# KiCad board VersaSens_HeEx.kicad_pcb (continued)
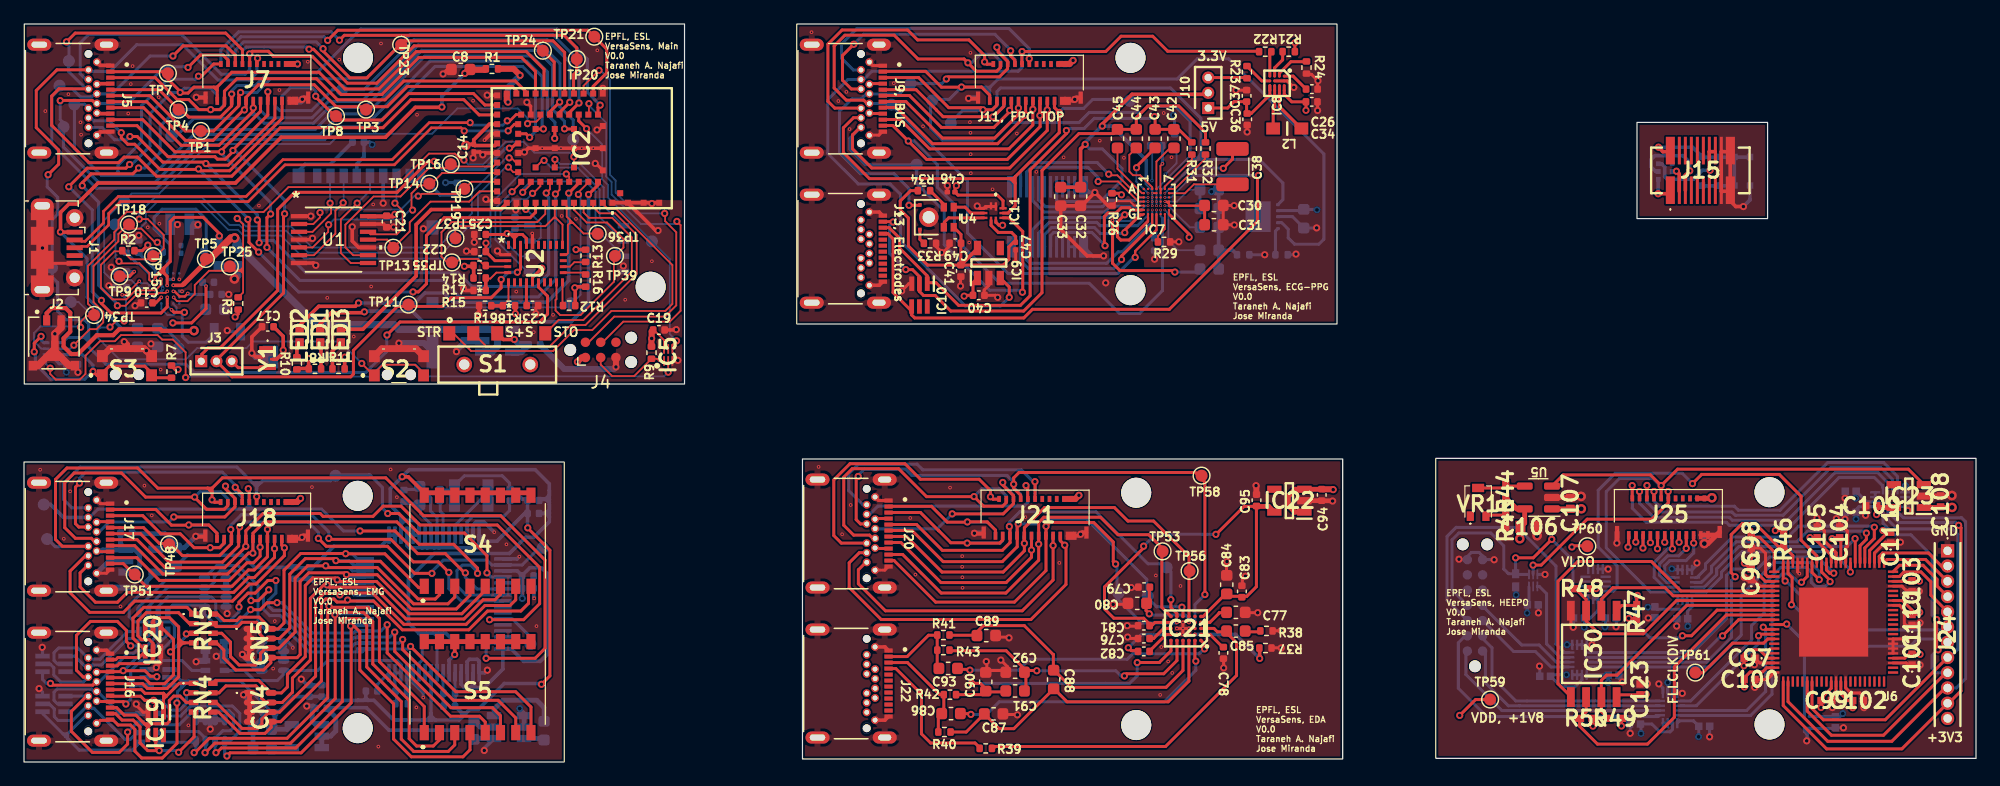
[diagram p0: board, top side]
## Footprints (pads in the part's own frame, mm; a bottom-side part is the same pattern mirrored in y, then rotated) (continued)
TSSOP14_4P50X5P10_ONS
  rect 1.353x0.355 smd: 1(-2.874,1.95) 2(-2.874,1.3) 3(-2.874,0.65) 4(-2.874,0) 5(-2.874,-0.65) 6(-2.874,-1.3) 7(-2.874,-1.95) 8(2.874,-1.95) 9(2.874,-1.3) 10(2.874,-0.65) 11(2.874,0) 12(2.874,0.65) 13(2.874,1.3) 14(2.874,1.95)
USB_Micro-B_Molex-105017-0001
  rect 0.4x1.35 smd: 1(-1.3,1.462) 2(-0.65,1.462) 3(0,1.462) 4(0.65,1.462) 5(1.3,1.462)
  oval 1.2x1.9 hole 0.6x1.3: 6(-3.5,-1.238) 6(3.5,-1.238)
  rect 1.2x1.9 smd: 6(-2.9,-1.238) 6(2.9,-1.238)
  round 1.45 hole 0.85: 6(-2.5,1.462) 6(2.5,1.462)
  rect 1.5x1.9 smd: 6(-1,-1.238) 6(1,-1.238)
VEMD8080
  rect 0.54x0.55 smd: 1(-2,-1.19) 2(-0.69,-1.19) 3(0.69,-1.19) 4(2,-1.19) 5(2,1.19) 6(0.69,1.19) 7(-0.69,1.19) 8(-2,1.19)

## Nets
+1V8: C1.1 IC1.E1 TP9.1
+2V5: C56.1 C57.1 C70.1 C71.1 C72.1 C73.1 IC13.5 IC15.2 IC17.17 IC17.18 IC17.19 IC17.21 IC17.22 IC17.54 IC17.56 IC17.59 J16.A4 J16.B9 S4.9 S4.10 S4.11 S4.12 S4.13 S4.14 S4.15 S4.16 S5.9 S5.10 S5.11 S5.12 S5.13 S5.14 S5.15 S5.16
+3.3V: C34.1 C40.2 C46.1 C48.1 IC7.F7 IC7.G7 IC8.A3 IC8.A4 IC9.1 IC11.7 IC11.10 J9, BUS.A4 J9, BUS.A9 J9, BUS.B4 J9, BUS.B9 J10.3 J11, FPC TOP.20 J11, FPC TOP.22 J14, FPC BUTTOM.2 J14, FPC BUTTOM.4 R21.1 R23.2 R30.1 U3.2
+3.3VA: C79.1 C80.1 C94.2 IC21.D3 IC22.1 IC22.3 J20.A4 J20.A9 J20.B4 J20.B9 J21.20 J21.22 J23.2 J23.4
+3.3VP: C58.2 C68.1 C69.1 IC13.1 IC13.3 IC14.4 IC14.5 IC17.35 IC17.48 IC17.50 IC17.52 J17.A4 J17.A9 J17.B4 J17.B9 J18.20 J18.22 J19.2 J19.4
+3V3: C10.1 C14.2 C16.2 C17.1 C18.1 C19.1 C20.1 C21.1 C22.1 C24.1 C25.1 IC1.B3 IC2.31 IC2.35 IC3.5 IC4.8 IC5.6 IC6.8 J4.1 J5.A4 J5.A9 J5.B4 J5.B9 J6.4 J7.20 J7.22 J8.2 J8.4 R2.2 R3.2 R6.2 R7.2 R8.2 R9.2 R10.2 R11.2 R12.1 R13.2 R14.2 R16.2 R17.1 R18.1 R20.2 S1.3 U1.14 U2.3 U2.10 U2.26 U2.28 Y1.4
+5V: C36.1 C37.1 IC8.D3 IC8.D4 J10.1
-2V5: C52.1 C53.1 C59.1 C60.1 C62.1 C63.1 C64.1 C65.1 C66.1 C67.1 C70.2 C71.2 C74.1 C75.1 IC12.5 IC15.5 IC17.20 IC17.23 IC17.25 IC17.32 IC17.53 IC17.57 IC17.58 J16.A12 J16.B1
-3V3: C54.1 C55.2 IC12.2 IC12.3 IC14.2
/HEEPO/+3V3: C107.2 C108.2 C113.2 C115.2 C117.2 C119.2 C121.2 C124.1 IC23.1 IC25.5 IC25.14 IC25.15 IC25.16 IC26.5 IC26.6 IC26.14 IC26.15 IC26.16 IC27.14 IC27.15 IC28.6 IC28.14 IC28.15 IC28.16 IC29.5 IC29.14 IC29.15 IC29.16 IC31.6 J24.12 J25.20 J25.22 J26.2 J26.4 R51.2 U5.1
GND: C1.2 C2.2 C3.2 C4.2 C5.2 C6.2 C7.1 C8.1 C9.2 C10.2 C12.2 C13.2 C14.1 C15.1 C16.1 C17.2 C18.2 C19.2 C20.2 C21.2 C22.2 C23.1 C24.2 C25.2 IC1.C3 IC1.C6 IC1.D3 IC1.F6 IC2.1 IC2.19 IC2.21 IC2.29 IC2.30 IC2.33 IC2.39 IC2.44 IC2.59 IC2.66 IC2.67 IC2.68 IC2.69 IC2.70 IC2.71 IC2.73 IC2.74 IC2.75 IC3.2 IC4.4 IC5.3 IC6.4 J1.5 J1.6 J2.2 J2.S1 J2.S2 J4.5 J5.A1 J5.A12 J5.B1 J5.B12 J5.S1 J5.S2 J5.S3 J5.S4 J6.6 J6.MP1 J6.MP3 J6.MP5 J6.MP6 J7.21 J7.23 J7.MP1 J7.MP2 J8.1 J8.3 J8.MP1 J8.MP2 R4.2 R5.2 R15.1 R19.1 RT1.2 S2.2 S2.3 S2.4 S3.2 S3.3 S3.4 U1.1 U1.4 U1.7 U1.10 U1.13 U2.2 U2.25 Y1.2
GND1: C26.2 C30.2 C31.2 C34.2 C36.2 C37.2 C40.1 C41.2 C46.2 C47.1 C48.2 C49.2 IC7.D3 IC8.A2 IC8.B2 IC8.C2 IC9.2 IC10.3 IC11.1 IC11.2 IC11.3 J9, BUS.A1 J9, BUS.A12 J9, BUS.B1 J9, BUS.B12 J9, BUS.S1 J9, BUS.S2 J9, BUS.S3 J9, BUS.S4 J11, FPC TOP.21 J11, FPC TOP.23 J11, FPC TOP.MP1 J11, FPC TOP.MP2 J13, Electrodes.A1 J13, Electrodes.A12 J13, Electrodes.B1 J13, Electrodes.B12 J13, Electrodes.S1 J13, Electrodes.S2 J13, Electrodes.S3 J13, Electrodes.S4 J14, FPC BUTTOM.1 J14, FPC BUTTOM.3 J14, FPC BUTTOM.MP1 J14, FPC BUTTOM.MP2 R24.2 R25.2 R26.1 R28.2 R29.2 R33.1 R35.2 U3.3 U3.6 U4.3
GND2: C50.2 C52.2 C53.2 C54.2 C55.1 C56.2 C57.2 C58.1 C68.2 C69.2 C72.2 C73.2 C74.2 C75.2 CN1.1 CN1.2 CN1.3 CN1.4 CN1.5 CN1.6 CN1.7 CN2.1 CN2.2 CN2.3 CN2.4 CN3.1 CN3.2 CN3.3 CN3.4 CN4.1 CN4.2 CN4.3 CN4.4 CN5.1 CN5.2 CN5.3 CN5.4 IC12.1 IC13.2 IC14.1 IC15.3 IC16.3 IC17.31 IC17.33 IC17.49 IC17.51 IC17.60 IC18.3 IC19.3 IC20.3 J16.A1 J16.B12 J16.S1 J16.S2 J16.S3 J16.S4 J17.A1 J17.A12 J17.B1 J17.B12 J17.S1 J17.S2 J17.S3 J17.S4 J18.21 J18.23 J18.MP1 J18.MP2 J19.1 J19.3 J19.MP1 J19.MP2 RN1.2 RN1.3 RN1.4 RN1.5 RN1.6 RN1.7
GND3: C76.2 C77.2 C78.2 C79.2 C80.2 C81.2 C83.2 C84.2 C87.2 C89.2 C90.2 C92.2 C94.1 C95.2 IC21.B3 IC21.B4 IC21.C3 IC21.C4 IC21.C5 IC21.D4 IC22.2 J20.A1 J20.A12 J20.B1 J20.B12 J20.S1 J20.S2 J20.S3 J20.S4 J21.21 J21.23 J21.MP1 J21.MP2 J22.A1 J22.A12 J22.B1 J22.B12 J22.S1 J22.S2 J22.S3 J22.S4 J23.1 J23.3 J23.MP1 J23.MP2 R37.1 R38.2
GNDA: C27.2 C28.2 C29.2 C35.1 C39.2 IC7.C3 R25.1
GNDPWR: C32.2 C33.2 IC7.E1 J12.1 J12.2 J12.3 J12.4 J12.MP1 J12.MP2 J12.MP3 J12.MP4 R26.2
GNDS: C96.1 C97.1 C98.1 C99.1 C100.1 C101.1 C102.1 C103.1 C104.1 C105.1 C106.1 C107.1 C108.1 C109.1 C110.1 C111.1 C112.2 C113.1 C114.2 C115.1 C116.2 C117.1 C118.2 C119.1 C120.2 C121.1 C122.2 C123.1 C124.2 IC23.2 IC24.1 IC24.4 IC25.6 IC25.7 IC25.8 IC26.7 IC26.8 IC27.7 IC27.8 IC28.5 IC28.7 IC28.8 IC29.6 IC29.7 IC29.8 IC30.4 IC31.3 J24.1 J25.21 J25.23 J25.MP1 J25.MP2 J26.1 J26.3 J26.MP1 J26.MP2 J27.7 J27.8 R45.1 U5.2 U6.2 U6.4 U6.20 U6.22 U6.34 U6.36 U6.47 U6.49 U6.50 U6.51 U6.52 U6.59 U6.63 U6.69 U6.75 U6.77 U6.84 U6.85 U6.89
VCC: C41.1 C47.2 C49.1 IC9.5 IC11.6 R34.2 U4.7
VCCQ: C81.1 C83.1 C84.1 C95.1 IC21.D6 IC21.E1 IC22.5
VDD: C96.2 C97.2 C99.2 C101.2 C103.2 C105.2 C109.2 C112.1 C114.1 C116.1 C118.1 C120.1 C122.1 C123.2 IC23.5 IC24.3 IC25.13 IC26.13 IC27.13 IC28.13 IC29.13 IC30.8 R46.1 R47.2 R48.2 R49.2 R50.2 TP59.1 U6.3 U6.19 U6.33 U6.48 U6.64 U6.78
/ECG_PPG/ACG_LR: R34.1 U4.2
/ECG_PPG/ACG_THSEL: R33.2 U4.5
/ECG_PPG/ACG_Wake: J9, BUS.B7 J11, FPC TOP.6 J14, FPC BUTTOM.18 TP45.1 U4.4
/ECG_PPG/BBST_INGOOD: IC8.C1 R21.2
/ECG_PPG/BBST_PGOOD: IC8.D2 R23.1
/ECG_PPG/BBST_RSEL: IC8.B1 R24.1
/ECG_PPG/CLK: IC11.8 J9, BUS.B2 J11, FPC TOP.17 J14, FPC BUTTOM.7 TP42.1
/ECG_PPG/CSB1: J9, BUS.A8 J11, FPC TOP.11 J14, FPC BUTTOM.13
/ECG_PPG/CSB2: J9, BUS.A10 J11, FPC TOP.13 J14, FPC BUTTOM.11
/ECG_PPG/Data: IC11.9 J9, BUS.B3 J11, FPC TOP.19 J14, FPC BUTTOM.5 TP44.1
/ECG_PPG/ECG_BIN: C43.1 IC7.B2
/ECG_PPG/ECG_BIP: C45.1 IC7.B1
/ECG_PPG/ECG_CAL1: IC7.A5 IC7.B5 R27.1
/ECG_PPG/ECG_CSB: IC7.D4 R30.2
/ECG_PPG/ECG_DRVN: C42.1 IC7.A4
/ECG_PPG/ECG_DRVP: C44.1 IC7.A3
/ECG_PPG/ECG_ECGN: IC7.A6 R31.2
/ECG_PPG/ECG_ECGP: IC7.A7 R32.2
/ECG_PPG/ECG_I2CADD: IC7.F4 R28.1
/ECG_PPG/ECG_LDOOUT: C28.1 C29.1 C30.1 C31.1 IC7.D6 IC7.D7 IC7.E7
/ECG_PPG/ECG_PD1IN: IC7.C1 J12.20
/ECG_PPG/ECG_PD2IN: IC7.D1 J12.18
/ECG_PPG/ECG_PD3IN: IC7.D2 J12.16
/ECG_PPG/ECG_PD4IN: IC7.C2 J12.14
/ECG_PPG/ECG_RLD: IC7.C6 IC10.4 J13, Electrodes.A4
/ECG_PPG/ECG_TRIG: IC7.G6 R29.1
/ECG_PPG/ECG_VMID: C35.2 IC7.E6
/ECG_PPG/ECG_VREFECG: C39.1 IC7.F6
/ECG_PPG/ECG_VREFPPG: C27.1 IC7.E2
/ECG_PPG/FCLK: IC7.F5 J9, BUS.A11 J11, FPC TOP.15 J14, FPC BUTTOM.9
/ECG_PPG/INT1: J9, BUS.B5 J11, FPC TOP.2 J14, FPC BUTTOM.22
/ECG_PPG/INT2: IC7.G4 J9, BUS.B6 J11, FPC TOP.4 J14, FPC BUTTOM.20 TP43.1
/ECG_PPG/INT4: J9, BUS.B8 J11, FPC TOP.8 J14, FPC BUTTOM.16
/ECG_PPG/LED1: IC7.G3 J12.19
/ECG_PPG/LED2: IC7.F3 J12.17
/ECG_PPG/LED3: IC7.G2 J12.15
/ECG_PPG/LED4: IC7.F2 J12.13
/ECG_PPG/LED5: IC7.G1 J12.11
/ECG_PPG/LED6: IC7.F1 J12.9
/ECG_PPG/MIC_CLK: IC11.5 U4.6
/ECG_PPG/MIC_DATA: IC11.4 U4.1
/ECG_PPG/PPG Board/PPG_ECG_PD1: D1.1 D1.2 D1.3 D1.4 D1.6 D1.7 D1.8 J15.20
/ECG_PPG/PPG Board/PPG_LED1: J15.1 LED4.1
/ECG_PPG/PPG Board/PPG_LED2: J15.2 LED4.4
/ECG_PPG/PPG Board/PPG_LED3: J15.3 LED4.3
/ECG_PPG/PPG Board/PPG_PGND: D1.5 J15.9 J15.10 J15.11 J15.12
/ECG_PPG/PPG Board/PPG_V_LED: J15.13 J15.14 LED4.2 LED4.5
/ECG_PPG/Reset: J9, BUS.B11 J11, FPC TOP.12 J14, FPC BUTTOM.12
/ECG_PPG/SCL: IC7.E4 J9, BUS.A2 J11, FPC TOP.1 J14, FPC BUTTOM.23 TP41.1 U3.4
/ECG_PPG/SCLK: J9, BUS.A5 J11, FPC TOP.5 J14, FPC BUTTOM.19
/ECG_PPG/SDA: IC7.E5 J9, BUS.A3 J11, FPC TOP.3 J14, FPC BUTTOM.21 TP40.1 U3.1
/ECG_PPG/SDI: J9, BUS.A6 J11, FPC TOP.7 J14, FPC BUTTOM.17
/ECG_PPG/SDO: J9, BUS.A7 J11, FPC TOP.9 J14, FPC BUTTOM.15
/ECG_PPG/SKT_ADDR: R35.1 U3.5
/ECG_PPG/Start: IC9.3 J9, BUS.B10 J11, FPC TOP.10 J14, FPC BUTTOM.14 R22.2
/ECG_PPG/V_LED: C32.1 C33.1 IC7.E3 J10.2 J12.6 J12.8
/EDA/CLK: J20.B2 J21.17 J23.7
/EDA/CSB1: J20.A8 J21.11 J23.13
/EDA/CSB2: IC21.E6 J20.A10 J21.13 J23.11 TP53.1
/EDA/Data: J20.B3 J21.19 J23.5
/EDA/EDA_BIN: C87.1 C88.2 IC21.A3 R40.2
/EDA/EDA_BIP: C88.1 C89.1 IC21.A4 R41.2
/EDA/EDA_DRVN: C86.1 IC21.A2
/EDA/EDA_DRVP: C93.2 IC21.A1
/EDA/EDA_ECGN: C90.1 C91.2 IC21.A6 R42.2
/EDA/EDA_ECGP: C91.1 C92.1 IC21.A5 R43.2
/EDA/EDA_VCM: C85.1 IC21.C1 R39.2
/EDA/FCLK: IC21.D5 J20.A11 J21.15 J23.9 TP57.1
/EDA/INT1: J20.B5 J21.2 J23.22
/EDA/INT2: J20.B6 J21.4 J23.20
/EDA/INT3: J20.B7 J21.6 J23.18
/EDA/INT4: IC21.D2 J20.B8 J21.8 J23.16 TP58.1
/EDA/Reset: J20.B11 J21.12 J23.12
/EDA/SCL: J20.A2 J21.1 J23.23
/EDA/SCLK: IC21.E5 J20.A5 J21.5 J23.19 TP54.1
/EDA/SDA: J20.A3 J21.3 J23.21
/EDA/SDI: IC21.E4 J20.A6 J21.7 J23.17 TP55.1
/EDA/SDO: IC21.E3 J20.A7 J21.9 J23.15 TP56.1
/EDA/Start: J20.B10 J21.10 J23.14
/EMG/BIAS: IC15.1 J16.A9 J16.B4 RN1.1
/EMG/CLK: J17.B2 J18.17 J19.7
/EMG/CSB1: IC17.39 J17.A8 J18.11 J19.13
/EMG/CSB2: J17.A10 J18.13 J19.11
/EMG/Data: J17.B3 J18.19 J19.5
/EMG/EMG1N: IC20.2 J16.A3 RN5.2
/EMG/EMG1NI: CN5.7 IC17.15 RN5.7 S4.2
/EMG/EMG1P: IC20.1 J16.A2 RN5.1
/EMG/EMG1PI: CN5.8 IC17.16 RN5.8 S4.1
/EMG/EMG2N: IC20.5 J16.A6 RN5.4
/EMG/EMG2NI: CN5.5 IC17.13 RN5.5 S4.4
/EMG/EMG2P: IC20.4 J16.A5 RN5.3
/EMG/EMG2PI: CN5.6 IC17.14 RN5.6 S4.3
/EMG/EMG3N: IC19.2 J16.A8 RN4.2
/EMG/EMG3NI: CN4.7 IC17.11 RN4.7 S4.6
/EMG/EMG3P: IC19.1 J16.A7 RN4.1
/EMG/EMG3PI: CN4.8 IC17.12 RN4.8 S4.5
/EMG/EMG4N: IC19.5 J16.A11 RN4.4
/EMG/EMG4NI: CN4.5 IC17.9 RN4.5 S4.8
/EMG/EMG4P: IC19.4 J16.A10 RN4.3
/EMG/EMG4PI: CN4.6 IC17.10 RN4.6 S4.7
/EMG/EMG5N: IC18.2 J16.B3 RN3.2
/EMG/EMG5NI: CN3.7 IC17.7 RN3.7 S5.2
/EMG/EMG5P: IC18.1 J16.B2 RN3.1
/EMG/EMG5PI: CN3.8 IC17.8 RN3.8 S5.1
/EMG/EMG6N: IC18.5 J16.B6 RN3.4
/EMG/EMG6NI: CN3.5 IC17.5 RN3.5 S5.4
/EMG/EMG6P: IC18.4 J16.B5 RN3.3
/EMG/EMG6PI: CN3.6 IC17.6 RN3.6 S5.3
/EMG/EMG7N: IC16.2 J16.B8 RN2.2
/EMG/EMG7NI: CN2.6 IC17.3 RN2.7 S5.6
/EMG/EMG7P: IC16.1 J16.B7 RN2.1
/EMG/EMG7PI: CN2.5 IC17.4 RN2.8 S5.5
/EMG/EMG8N: IC16.5 J16.B11 RN2.4
/EMG/EMG8NI: CN2.8 IC17.1 RN2.5 S5.8
/EMG/EMG8P: IC16.4 J16.B10 RN2.3
/EMG/EMG8PI: CN2.7 IC17.2 RN2.6 S5.7
/EMG/EMG_BIAS: C61.2 CN1.8 IC17.62 IC17.63 R36.1 RN1.8
/EMG/EMG_RLDINV: C61.1 IC17.61 R36.2
/EMG/EMG_WCT: C62.2 IC17.64
/EMG/FCLK: J17.A11 J18.15 J19.9 TP51.1
/EMG/INT1: IC17.47 J17.B5 J18.2 J19.22 TP52.1
/EMG/INT2: J17.B6 J18.4 J19.20
/EMG/INT3: J17.B7 J18.6 J19.18
/EMG/INT4: J17.B8 J18.8 J19.16
/EMG/Reset: IC17.36 J17.B11 J18.12 J19.12 TP47.1
/EMG/SCL: J17.A2 J18.1 J19.23
/EMG/SCLK: IC17.40 J17.A5 J18.5 J19.19 TP48.1
/EMG/SDA: J17.A3 J18.3 J19.21
/EMG/SDI: IC17.34 J17.A6 J18.7 J19.17 TP49.1
/EMG/SDO: IC17.43 J17.A7 J18.9 J19.15 TP50.1
/EMG/Start: IC17.38 J17.B10 J18.10 J19.14 TP46.1
/HEEPO/BOOT_SELECT_HEEP: IC29.11 R46.2 U6.86
/HEEPO/CLK_HEEP: IC24.2 U6.12
/HEEPO/CSB1: J25.11 J26.13
/HEEPO/FCLK: J25.15 J26.9
/HEEPO/FLASH_CS: IC30.1 R47.1 U6.9
/HEEPO/FLASH_MISO: IC30.2 U6.6
/HEEPO/FLASH_MOSI: IC30.5 U6.5
/HEEPO/FLASH_nHLD_nRST: IC30.7 R49.1 U6.8
/HEEPO/FLASH_nWP: IC30.3 R48.1 U6.7
/HEEPO/FLASH_SCK: IC30.6 R50.1 U6.10
/HEEPO/FLL_CLK_DIV: TP61.1 U6.15
/HEEPO/GPIO0: IC26.12 U6.74
/HEEPO/GPIO1: IC26.11 U6.73
/HEEPO/GPIO2: IC26.10 U6.72
/HEEPO/GPIO3: IC26.9 U6.71
/HEEPO/GPIO4: J24.2 U6.68
/HEEPO/GPIO5: J24.3 U6.67
/HEEPO/GPIO6: J24.4 U6.66
/HEEPO/GPIO7: J24.5 U6.65
/HEEPO/I2C_SCL_HEEP: J24.6 U6.88
/HEEPO/I2C_SDA_HEEP: J24.7 U6.87
/HEEPO/JTAG_RESET: IC27.12 U6.81
/HEEPO/JTAG_TCK: IC28.12 U6.83
/HEEPO/JTAG_TDI: IC28.9 U6.80
/HEEPO/JTAG_TDO: IC29.9 U6.79
/HEEPO/JTAG_TMS: IC29.12 U6.82
/HEEPO/nRST_HEEP: IC29.10 U6.11
/HEEPO/nRST_LOGIC: IC29.3 IC31.4
/HEEPO/P_BOOT_SELECT: IC29.2 J27.11
/HEEPO/P_RESET: IC27.1 IC31.1 J27.4 R51.1
/HEEPO/Reset: IC31.2 J25.12 J26.12
/HEEPO/RX0: IC28.3 J27.14
/HEEPO/RX0_HEEP: IC28.11 U6.13
/HEEPO/SCL: J25.1 J26.23
/HEEPO/SCLK: J25.5 J26.19
/HEEPO/SDA: J25.3 J26.21
/HEEPO/SDI: J25.7 J26.17
/HEEPO/SDO: J25.9 J26.15
/HEEPO/SPI_CS_HEEP: IC25.12 J24.9 U6.28
/HEEPO/SPI_MISO_HEEP: IC25.9 J24.10 U6.24
/HEEPO/SPI_MOSI_HEEP: IC25.10 J24.11 U6.23
/HEEPO/SPI_SCK_HEEP: IC25.11 J24.8 U6.29
/HEEPO/Start: IC23.3 IC26.1 J25.10 J26.14 U5.3
/HEEPO/TCK: IC28.1 J27.2
/HEEPO/TDI: IC28.4 J27.13
/HEEPO/TDO: IC29.4 J27.3
/HEEPO/TMS: IC29.1 J27.12
/HEEPO/TX0: IC28.2 J27.1
/HEEPO/TX0_HEEP: IC28.10 U6.14
/HEEPO/USB_GP1: IC25.1 J25.2 J26.22
/HEEPO/USB_GP2: IC25.2 J25.4 J26.20
/HEEPO/USB_GP3: IC25.3 J25.6 J26.18
/HEEPO/USB_GP4: IC25.4 J25.8 J26.16
/HEEPO/USB_GP5: IC26.2 J25.13 J26.11
/HEEPO/USB_GP6: IC26.3 J25.17 J26.7
/HEEPO/USB_GP7: IC26.4 J25.19 J26.5
/HEEPO/vcore_ldo: C98.2 C100.2 C102.2 C104.2 C106.2 C110.2 C111.2 R44.2 TP60.1 U5.5 U6.1 U6.21 U6.35 U6.60 U6.70 U6.76
/Main/Battery+: C12.1 IC1.B6 J2.1
/Main/BNO_BOOT: IC2.13 R14.1 TP35.1 U2.4
/Main/BNO_INT: IC2.7 TP39.1 U2.14
/Main/BNO_MOSI: R13.1 U2.17
/Main/BNO_PS0: R18.2 R19.2 U2.6
/Main/BNO_PS1: R15.2 R17.2 U2.5
/Main/BNO_RX: IC2.9 TP36.1 U2.19
/Main/BNO_TX: IC2.11 TP37.1 U2.20
/Main/CLK: IC2.50 J8.7 TP10.1
/Main/Conn_RESET: IC5.1 J4.3 R9.1
/Main/CSB1: IC2.65 J5.A8 J7.11 J8.13 TP26.1
/Main/CSB2: IC2.48 J8.11 TP27.1
/Main/Data: IC2.38 J8.5 TP8.1
/Main/FCLK: J3.2 J5.A11 J7.15 J8.9 TP11.1 U2.27
/Main/INT1: IC2.53 J8.22 TP20.1
/Main/INT2: IC2.57 J8.20 TP21.1
/Main/INT3: IC2.51 J8.18 TP23.1
/Main/INT4: IC2.49 J8.16 TP24.1
/Main/LED_G: IC2.8 LED2.1
/Main/LED_R: IC2.4 LED1.1
/Main/LED_Y: IC2.20 LED3.1
/Main/Man_RESET: IC4.3 IC4.7 R7.1 S3.1 S3.5
/Main/MEM_CLK: IC2.27 TP16.1 U1.9
/Main/MEM_CLK_IN: J6.5 U1.8
/Main/MEM_CS: IC2.23 TP19.1 U1.2
/Main/MEM_CS_IN: J6.2 U1.3
/Main/MEM_MISO: IC2.22 TP13.1 U1.11
/Main/MEM_MISO_IN: J6.7 U1.12
/Main/MEM_MOSI: IC2.25 TP14.1 U1.5
/Main/MEM_MOSI_IN: J6.3 U1.6
/Main/MEM_SW2_IN: IC2.6 J6.MP4 TP17.1
/Main/PMU_ALRT: IC1.B5 IC2.28 R3.1 TP25.1
/Main/PMU_AMUX: IC1.C1 IC2.46 TP22.1
/Main/PMU_BST: C11.2 IC1.F5
/Main/PMU_GPIO0: IC1.D2 IC2.10 TP28.1
/Main/PMU_LDO0: IC1.F1 R4.1
/Main/PMU_LXB: C11.1 IC1.E4 IC1.E5 L1.1
/Main/PMU_nEN: IC1.D1 S2.1 S2.5 TP2.1
/Main/PMU_NIRQ: IC1.E3 IC2.26 R2.1 TP15.1
/Main/PMU_NRST: IC1.F3 IC4.6 R6.1 TP18.1
/Main/PMU_SBB0: C2.1 IC1.F4
/Main/PMU_SBB1: C3.1 IC1.D4 IC1.E2
/Main/PMU_SBB2: C4.1 C15.2 IC1.D5 IC3.1 IC3.3 TP5.1
/Main/PMU_SYS: C6.1 C7.2 IC1.A2 IC1.D6 TP12.1
/Main/PMU_TH: IC1.A4 RT1.1
/Main/PMU_VL: C9.1 IC1.B1
/Main/QSPI_CLK: IC2.16 IC6.6
/Main/QSPI_CSN: IC2.61 IC6.1
/Main/QSPI_IO0: IC2.24 IC6.5
/Main/QSPI_IO1: IC2.62 IC6.2
/Main/QSPI_IO2: IC2.18 IC6.3
/Main/QSPI_IO3: IC2.17 IC6.7
/Main/Reset: IC4.5 J5.B11 J7.12 J8.12 TP38.1 U2.11
/Main/SCL: IC1.B4 IC2.45 J5.A2 J7.1 J8.23 TP7.1
/Main/SCLK: IC2.58 J5.A5 J7.5 J8.19 TP4.1
/Main/SDA: IC1.C4 IC2.43 J5.A3 J7.3 J8.21 TP6.1
/Main/SDI: IC2.52 J5.A6 J7.7 J8.17 TP1.1
/Main/SDO: IC2.41 J5.A7 J7.9 J8.15 TP3.1
/Main/SoC_FCLK: IC2.32 J3.1
/Main/Soc_RESET: IC4.1 IC5.2
/Main/Soc_RESET_IN: IC2.54 IC5.4 TP33.1
/Main/SoC_RESET_OUT: IC2.60 IC4.2 TP34.1
/Main/Start: IC2.47 J5.B10 J7.10 J8.14
/Main/Storing: IC2.5 S1.4
/Main/Streaming: IC2.2 S1.1
/Main/Streaming_Storing: IC2.3 S1.2
/Main/SWDCLK: IC2.56 J4.4
/Main/SWDIO: IC2.55 J4.2
/Main/USB_GP1: IC2.64 J5.B5 J7.2 TP29.1
/Main/USB_GP2: IC2.63 J5.B6 J7.4 TP30.1
/Main/USB_GP3: IC2.34 J5.B7 J7.6 TP31.1
/Main/USB_GP4: IC2.37 J5.B8 J7.8 TP32.1
/Main/USB_GP5: IC2.12 J5.A10 J7.13
/Main/USB_GP6: IC2.14 J5.B2 J7.17
/Main/USB_GP7: IC2.15 J5.B3 J7.19
/Main/uUSB_D+: IC2.36 J1.3
/Main/uUSB_D-: IC2.42 J1.2
/Main/uUSB_VBUS: C5.1 C8.2 IC1.A1 J1.1 R1.1
Net-(C85-Pad2): C85.2 R38.1
Net-(IC1-BATT_CHGR): IC1.A3 IC1.A5
Net-(IC1-IN_LDO0): IC1.F2 R5.1
Net-(IC1-LXA): IC1.E6 L1.2
Net-(IC1-REG): C13.1 IC1.C5
Net-(IC2-VBUS): IC2.40 R1.2
Net-(IC7-CAL3): IC7.B3 IC7.B4 R27.2
Net-(IC7-CAPN): C38.2 IC7.B6
Net-(IC7-CAPP): C38.1 IC7.B7
Net-(IC8-CAP): C26.1 IC8.A1
Net-(IC8-EN): IC8.D1 R22.1
Net-(IC8-HVLX_1): IC8.C3 IC8.C4 L2.2
Net-(IC8-LVLX_1): IC8.B3 IC8.B4 L2.1
Net-(IC10-IO1): C42.2 C43.2 IC10.1 J13, Electrodes.A3 R31.1
Net-(IC10-IO2): C44.2 C45.2 IC10.2 J13, Electrodes.A2 R32.1
Net-(IC12-NR/FB): C50.1 IC12.4
Net-(IC14-CAP+): C51.2 IC14.6
Net-(IC14-CAP-): C51.1 IC14.3
Net-(IC17-VCAP1): C66.2 IC17.28
Net-(IC17-VCAP2): C67.2 IC17.30
Net-(IC17-VCAP3): C59.2 C60.2 IC17.55
Net-(IC17-VCAP4): C65.2 IC17.26
Net-(IC17-VREFP): C63.2 C64.2 IC17.24
Net-(IC21-CAPN): C82.2 IC21.B5
Net-(IC21-CAPP): C82.1 IC21.B6
Net-(IC21-CPLL): C76.1 IC21.C6
Net-(IC21-RBIAS): IC21.B2 R37.2
Net-(IC21-VBG): C78.1 IC21.B1
Net-(IC21-VREF): C77.1 IC21.D1
Net-(J3-Pin_3): J3.3 Y1.3
Net-(J6-PadMP2): J6.MP2 R20.1
Net-(J22-SSTXN1): C86.2 J22.A3 R40.1 R42.1
Net-(J22-SSTXP1): C93.1 J22.A2 R41.1 R43.1
Net-(J22-VBUS1.1): J22.A4 R39.1
Net-(LED1-A): LED1.2 R8.1
Net-(LED2-A): LED2.2 R10.1
Net-(LED3-A): LED3.2 R11.1
Net-(U2-CAP): C23.2 U2.9
Net-(U2-ENV_SCL): R12.2 U2.15
Net-(U2-ENV_SDA): R16.1 U2.16
Net-(U5-FB): R44.1 U5.4 VR1.2
Net-(VR1-CW): R45.2 VR1.3

Pads without a net: IC1 A6 B2 C2; IC2 72; IC3 4; IC5 5; IC7 A1 A2 C4 C5 C7 D5 G5; IC9 4; IC10 5 6; IC13 4; IC15 4 6; IC16 6; IC17 27 29 37 41 42 44 45 46; IC18 6; IC19 6; IC20 6; IC21 C2 E2; IC22 4; IC23 4; IC27 2 3 4 5 6 9 10 11 16; IC31 5; J1 4; J4 6; J6 1 8; J7 14 16 18; J8 6 8 10; J11, FPC TOP 14 16 18; J12 5 7 10 12; J13, Electrodes A5 A6 A7 A8 A9 A10 A11 B2 B3 B4 B5 B6 B7 B8 B9 B10 B11; J14, FPC BUTTOM 6 8 10; J15 4 5 6 7 8 15 16 17 18 19; J18 14 16 18; J19 6 8 10; J21 14 16 18; J22 A5 A6 A7 A8 A9 A10 A11 B2 B3 B4 B5 B6 B7 B8 B9 B10 B11; J23 6 8 10; J25 14 16 18; J26 6 8 10; J27 5 6 9 10; LED4 6; S1 5 6; U2 1 7 8 12 13 18 21 22 23 24; U6 16 17 18 25 26 27 30 31 32 37 38 39 40 41 42 43 44 45 46 53 54 55 56 57 58 61 62; VR1 1; Y1 1

## Via types
v1: diameter 0.3, hole 0.15, Top to Bottom, 134 vias
v2: diameter 0.6, hole 0.3, Top to Bottom, 527 vias
v3: diameter 0.8, hole 0.4, Top to Bottom, 12 vias
v4: diameter 0.2, hole 0.15, Top to Bottom, 16 vias
v5: diameter 0.2, hole 0.15, Top to PWR, 3 vias
v6: diameter 0.2, hole 0.15, Top to GND, 1 via

## Routing (per net, layer and track width the routed paths; a pad name or vN(x,y) marks a point on that pad's centre or on a via; arc(x,y) is an arc through that point)
+1V8: length 2
  Top w0.25: 7.93,40.48 8.79,40.48 v1(9.18,40.86)
  Bottom w0.25: v1(9.18,40.86) 9.17,40.87 C1.1
+2V5: length 129.7
  Top w0.25: v2(11.06,7.11) 11.03,7.15 10.53,7.15 10.07,7.61 v2(8.26,7.61) 8.18,7.53 J16.A4 ; 6.03,7.48 6.08,7.48 6.12,7.53 7.15,7.53
  Top w0.3: v2(35.87,8.95) 35.88,8.96 S5.14 ; v2(31.5,23.77) 32,23.77 33.34,22.44
  Top w0.4: 33.34,10.04 S5.9 ; 33.34,22.44 42.23,22.44
  Bottom w0.25: 34.93,10.73 34.68,10.73 34.4,10.45 ; 33.56,10.73 33.46,10.73 33.17,10.45 ; 34.51,10.73 34.4,10.62 34.4,10.17 ; 34.02,10.73 34.13,10.73 34.4,10.45 ; 33.19,10.73 33.17,10.7 33.17,8.49 32.9,8.22 IC17.59 ; 10.19,14.49 10.18,14.49 8.76,13.07 8.76,12.11 9.19,11.68 12.25,11.68 12.52,11.41 12.52,10.38 11,8.87 9.56,8.87 8.3,7.61 v2(8.26,7.61) ; IC15.2 10.28,7.11 v2(11.06,7.11) ; 34.4,10.17 IC17.56 ; 34.4,10.17 34.4,10.45
  Bottom w0.3: 43.76,21.87 43.73,21.89 43.19,21.89 ; 43.76,21.87 43.76,21.45 ; 43.76,21.87 43.76,22.64 ; 43.76,22.64 43.76,22.23 43.42,21.89 43.19,21.89 ; 43.76,22.64 43.76,23.18 42.58,24.36 32.09,24.36 v2(31.5,23.77) 30.51,22.78 30.51,21.4 31.78,20.13 ; 42.9,21.89 43.19,21.89 ; 43.19,21.89 43.48,21.89 43.76,21.61 ; C70.1 43.26,20.72 ; 43.26,20.72 43.45,20.72 ; 43.26,20.72 43.73,20.72 43.76,20.75 ; 43.76,21.45 43.76,20.75 ; 43.76,21.45 43.76,21.02 43.45,20.72 ; 43.45,20.72 43.76,20.41 43.76,20.4 ; 33.19,10.73 32.89,10.73 32.9,10.73 35.13,10.73 35.87,9.99 v2(35.87,8.95) 35.4,8.48 IC17.54 ; IC17.21 IC17.22 32.9,19.81 32.58,20.13 31.78,20.13 ; 43.76,20.4 43.76,20.75 ; 43.76,20.4 43.76,20.02 42.47,18.73 41.78,18.73 40.43,17.38 34.17,17.38 32.02,15.23 32.02,11.6 33.17,10.45 ; 31.4,19.79 31.74,20.13 31.78,20.13 ; 12.67,16.31 13.6,17.24 18.19,17.24 19.21,16.22 22.58,16.22 22.61,16.19 24.02,16.19 25.81,17.98 29.71,17.98 30.4,18.67 IC17.17 IC17.19 31.4,18.91 31.4,20.43
  Bottom w0.4: 10.19,14.49 10.19,15.04 IC13.5 12.19,15.83 12.67,16.31
+3.3V: length 28.7
  Top w0.15: IC7.F7 IC7.G7 95.46,45.57
  Top w0.25: 95.46,45.57 97.05,43.98 v2(97.05,43.73) ; R21.1 105.86,59.94 v2(105.87,59.94) ; 71.51,56.54 70.44,56.54 70.39,56.49 ; 71.51,54.04 70.41,54.04 70.39,54.06 70.39,54.09 ; R23.2 101.81,57.04 J10.3 ; IC11.10 81.55,46.78 81.08,47.25 77.8,47.25 C46.1 77.55,47.91 v2(77.66,48.03) ; IC11.7 80.95,44.99 81.21,44.73 v2(81.52,44.73) ; v2(106.78,54.31) 106.78,55.02 105.6,55.02 104.97,55.65 IC8.A4 IC8.A3 ; v2(78.31,38.82) 78.38,38.9 C40.2 79.05,39.96 IC9.1
  Top w0.5: 86.7,58.17 87.08,58.17 87.39,58.48 ; 86.22,58.17 86.57,58.17
  Bottom w0.25: v2(107.7,46.01) 107.66,46.05 C48.1 106.5,45.95 U3.2 ; R30.1 95.83,53.83 v2(95.76,53.91)
  Bottom w0.5: 87.39,58.46 87.09,58.16 86.73,58.16 ; 86.26,58.16 86.61,58.16
  vias: v2(87.39,58.47)
+3.3VA: length 17
  Top w0.25: 70.88,20.24 70.93,20.29 72,20.29 ; 72,17.79 70.89,17.79 70.88,17.81 70.88,17.84 ; 93.74,14.46 93.74,13.42 93.46,13.14 93.46,12.62 v2(93.73,12.35)
  Top w0.4: IC22.1 105.85,20.83 105.32,21.36 105.32,22.15 105.89,22.73 IC22.3 108.07,22.73
  Top w0.5: 86.71,21.92 87.06,21.92 ; 108.14,22.73 109.02,22.73 v2(109.05,22.7) ; v2(87.87,22.23) 87.57,21.92 87.18,21.92
  Bottom w0.25: v2(93.73,12.35) 93.84,12.24 96.74,12.24 97.04,11.94 v1(97.04,11.63)
  Bottom w0.5: 86.74,21.92 87.09,21.92 ; 87.22,21.92 87.58,21.92 87.88,22.22
+3.3VP: length 39.9
  Top w0.25: J17.A4 6.1,20.03 6.05,19.98 ; 6.05,17.58 6.05,17.55 6.07,17.53 J17.A9
  Top w0.5: 22.34,21.67 22.73,21.67 v2(23.04,21.97) ; 21.87,21.67 22.22,21.67
  Bottom w0.3: IC17.52 36.4,6.48 36.68,6.21 37.14,6.21 ; 37.14,6.21 37.65,6.21 ; 37.14,6.21 37.39,6.45 37.4,6.45 ; 37.65,6.21 38.35,6.21 39.89,7.75 IC17.48 40.59,9.42 41.62,8.39 43,8.39 43.62,9 43.62,15.66 43.09,16.19 42.13,16.19 41.51,15.57 41.51,15.51 ; 37.65,6.21 37.4,6.45 ; 41.51,15.51 41.51,13.64 v2(41.5,13.63) ; 41.51,15.51 41.1,15.92 IC17.35 ; IC14.4 41.65,4.09 v2(41.29,4.45) ; IC17.50 37.4,6.45
  Bottom w0.4: IC14.5 IC14.4 ; C58.2 8.04,18.17 IC13.3 ; IC13.3 9.19,17.73 9.63,17.28 9.63,16.38 9.08,15.83 IC13.1 ; IC13.3 8.42,17.67 6.55,17.67 6.46,17.58 6.05,17.58
  Bottom w0.5: v2(23.04,21.97) 22.73,21.67 22.37,21.67 ; 21.9,21.67 22.25,21.67
+3V3: length 56
  Top w0.15: IC5.6 53.31,35.16 52.47,35.99 ; 52.41,36.01 C19.1
  Top w0.25: 40.86,43.96 41.15,43.96 ; 40.86,43.96 40.32,43.96 v2(40.24,44.04) 40.16,43.96 C25.1 ; 40.86,43.96 40.85,43.95 40.85,43.65 ; 41.15,43.96 40.85,43.67 40.85,43.65 ; 41.15,43.96 41.52,43.96 41.86,43.62 U2.26 ; R2.2 9.85,42.61 v2(10.32,43.07) ; v2(43.13,41.16) 42.35,40.37 42.35,39.97 ; v1(11.43,38.72) 10.98,38.27 C10.1 ; C22.1 38.48,42.55 v2(38.48,43.25) ; C22.1 39.22,41.78 U2.3 ; C22.1 38.47,42.59 38.48,42.6 ; 40.85,43.65 40.55,43.96 ; 40.85,43.65 40.85,43.1 ; v2(17.59,37.09) 17.84,37.34 R3.2 ; J5.B4 6.12,54.03 ; J5.B9 6.12,56.53
  Top w0.3: R13.2 46.77,42.7 v2(45.98,42.7) ; v2(40.84,35.21) 39.93,35.21 S1.3 39.48,35.72 39.5,35.7 ; 37.44,41.38 37.37,41.31 v2(36.68,41.31) ; 37.46,40.29 37.46,41.28 37.45,41.28 ; R12.1 45.92,39.48 v2(45.88,39.52) 45.97,39.61 R16.2 ; C14.2 37.56,51.38 39.23,51.38 IC2.31 ; C14.2 37.46,51.85 38.77,53.15 IC2.35 ; C14.2 36.9,51.48 v3(36.81,51.38) ; 6.12,56.53 J5.A4 ; 23.58,32.8 22.81,32.8 R10.2 ; v2(26.72,33.74) 26.71,33.73 R11.2 ; C17.1 21.59,35.47 v2(21.59,34.33) 21.56,34.3 21.56,34.1 21.03,33.56 Y1.4 ; R7.2 12.62,32.71 v2(12.84,32.71) ; v2(23.71,33.63) 23.71,32.78 R8.2 ; v2(40.93,37.36) 40.93,38 R18.1 ; 6.12,54.03 J5.A9
  Top w0.35: U1.14 28.67,45.47 30.72,45.47 v2(30.89,45.65)
  Top w0.5: v2(46.1,33.35) 46.45,33.71 J4.1 ; 52.26,35.19 52.26,34.63 R9.2 ; 21.92,58.17 22.27,58.17 ; v2(52.28,35.3) 52.28,35.89 C19.1 ; v2(22.78,58.17) J7.22
  Bottom w0.25: 3.51,33.16 3.52,33.18 ; 3.52,33.18 2.93,33.18 2.52,33.59 IC4.8 ; 3.52,33.18 3.5,33.16 ; R20.2 36.08,48.28 v2(35.12,48.28) ; IC6.8 41.15,44.69 C20.1 40.5,44.04 v2(40.24,44.04) ; v2(3.52,32.49) 3.51,32.5 3.51,33.11 ; v2(10.32,43.07) 10.32,42.71 R6.2
  Bottom w0.3: J6.4 27.72,49.84 28.32,50.44 C24.1 28.78,51.66 v2(29,51.44)
  Bottom w0.5: 21.92,58.17 22.27,58.17 ; v2(22.78,58.17) J7.22 ; 42.02,34.74 41.43,34.15 IC3.5 ; v2(40.84,35.21) 41.22,34.84 42.02,34.84
+5V: length 8.1
  Top w0.25: J10.1 100.26,54.5 100.79,55.04 C37.1 101.84,54.09 C36.1 102.22,54.04 103.77,55.6 IC8.D4 IC8.D3 103.77,56.03
-2V5: length 115.8
  Top w0.25: J16.A12 7.39,3.53 7.84,3.08 8.87,3.08 9.23,2.72 9.23,0.9 9.8,0.33 11.52,0.33 12.75,1.56 12.75,4.91 v2(12.74,4.92) ; v2(41.96,19.51) 41.96,19.49 43.81,17.65 43.81,7.18 v2(43.1,6.48) ; 6.05,3.17 6.35,3.47 7.04,3.47
  Bottom w0.25: 13.24,6.32 13.11,6.19 13.11,6.75 12.81,7.05 IC15.5 ; 13.66,6.74 13.77,6.74 ; 13.66,6.74 13.36,6.44 13.36,6.61 ; 13.66,6.74 12.78,5.87 12.78,5.06 12.74,5.02 v2(12.74,4.92) ; 13.77,6.74 13.13,6.74 ; 13.77,6.74 18.06,6.74 20.89,3.91 ; 34.65,22.67 35.55,22.67 36.03,22.19 36.03,23.2 36.69,23.85 39.83,23.85 40.45,23.24 40.45,22.67 ; IC17.58 IC17.57 ; 41.94,19.53 v2(41.96,19.51) ; IC17.53 35.9,5.78 ; 20.9,4.12 C53.1 ; 33.04,22.88 33.86,22.06 33.86,20.92 34.4,20.37 IC17.25 ; 32.99,23.09 32.61,22.72 31.7,22.72 31.65,22.67 ; 28.48,5.81 28.48,5.84
  Bottom w0.3: 33.18,17.85 32.09,17.85 31.9,18.03 IC17.20 ; 33.18,17.85 33.59,17.85 ; 33.18,17.85 33.38,18.04 ; 28.68,5.14 27.81,5.14 ; 28.68,5.14 28.48,5.34 ; 28.68,5.14 29.15,5.14 30.78,3.5 33.38,3.5 ; 27.81,5.14 27.8,5.13 25.16,5.13 24.84,5.45 22.47,5.45 20.89,3.87 ; 27.81,5.14 28.27,5.14 28.48,5.34 ; 33.38,3.5 33.55,3.5 33.9,3.85 ; 33.38,3.5 33.9,3.5 ; 36.83,4.08 36.66,3.91 ; 36.83,4.08 37.13,4.38 37.84,4.38 40,6.54 43.04,6.54 v2(43.1,6.48) ; 36.83,4.08 36.49,4.08 36.28,4.29 ; 36.66,3.91 36.47,3.72 ; 36.66,3.91 36.28,4.29 ; 36.28,4.29 35.94,4.64 35.9,4.64 35.9,5.78 ; 36.28,4.29 36.47,4.1 36.47,3.72 ; C70.2 41.94,19.53 ; C70.2 41.71,20.72 39.41,18.41 38.4,18.41 IC17.32 37.9,18.02 37.74,17.85 34.59,17.85 ; C70.2 41.94,21.89 41.53,21.89 40.76,22.67 40.45,22.67 ; 36.47,3.72 36.25,3.5 33.9,3.5 ; IC17.57 33.9,7.43 33.9,4.01 ; 28.48,5.34 28.48,5.81 ; 33.9,3.5 33.9,3.51 33.9,4.01 ; 33.9,4.01 33.9,3.85 ; 33.9,3.85 34.25,3.5 ; 33.59,17.85 33.4,18.04 IC17.23 ; 33.59,17.85 34.18,17.85 ; IC17.25 34.4,18.04 34.59,17.85 ; 34.59,17.85 34.18,17.85 ; 34.18,17.85 34.4,18.08